# Altium PCB Digital_Optical.PcbDoc (part 3 of 3)
Units mm, origin at the board's own origin, x right, y up, seen from the top; angles counter-clockwise.
Board outline 155.98 x 100 mm, 2 copper layers (Top Layer, Bottom Layer); 402 components, 235 nets, 1241 pads, 390 vias.
Unrouted connection lines stored in the file: 44.
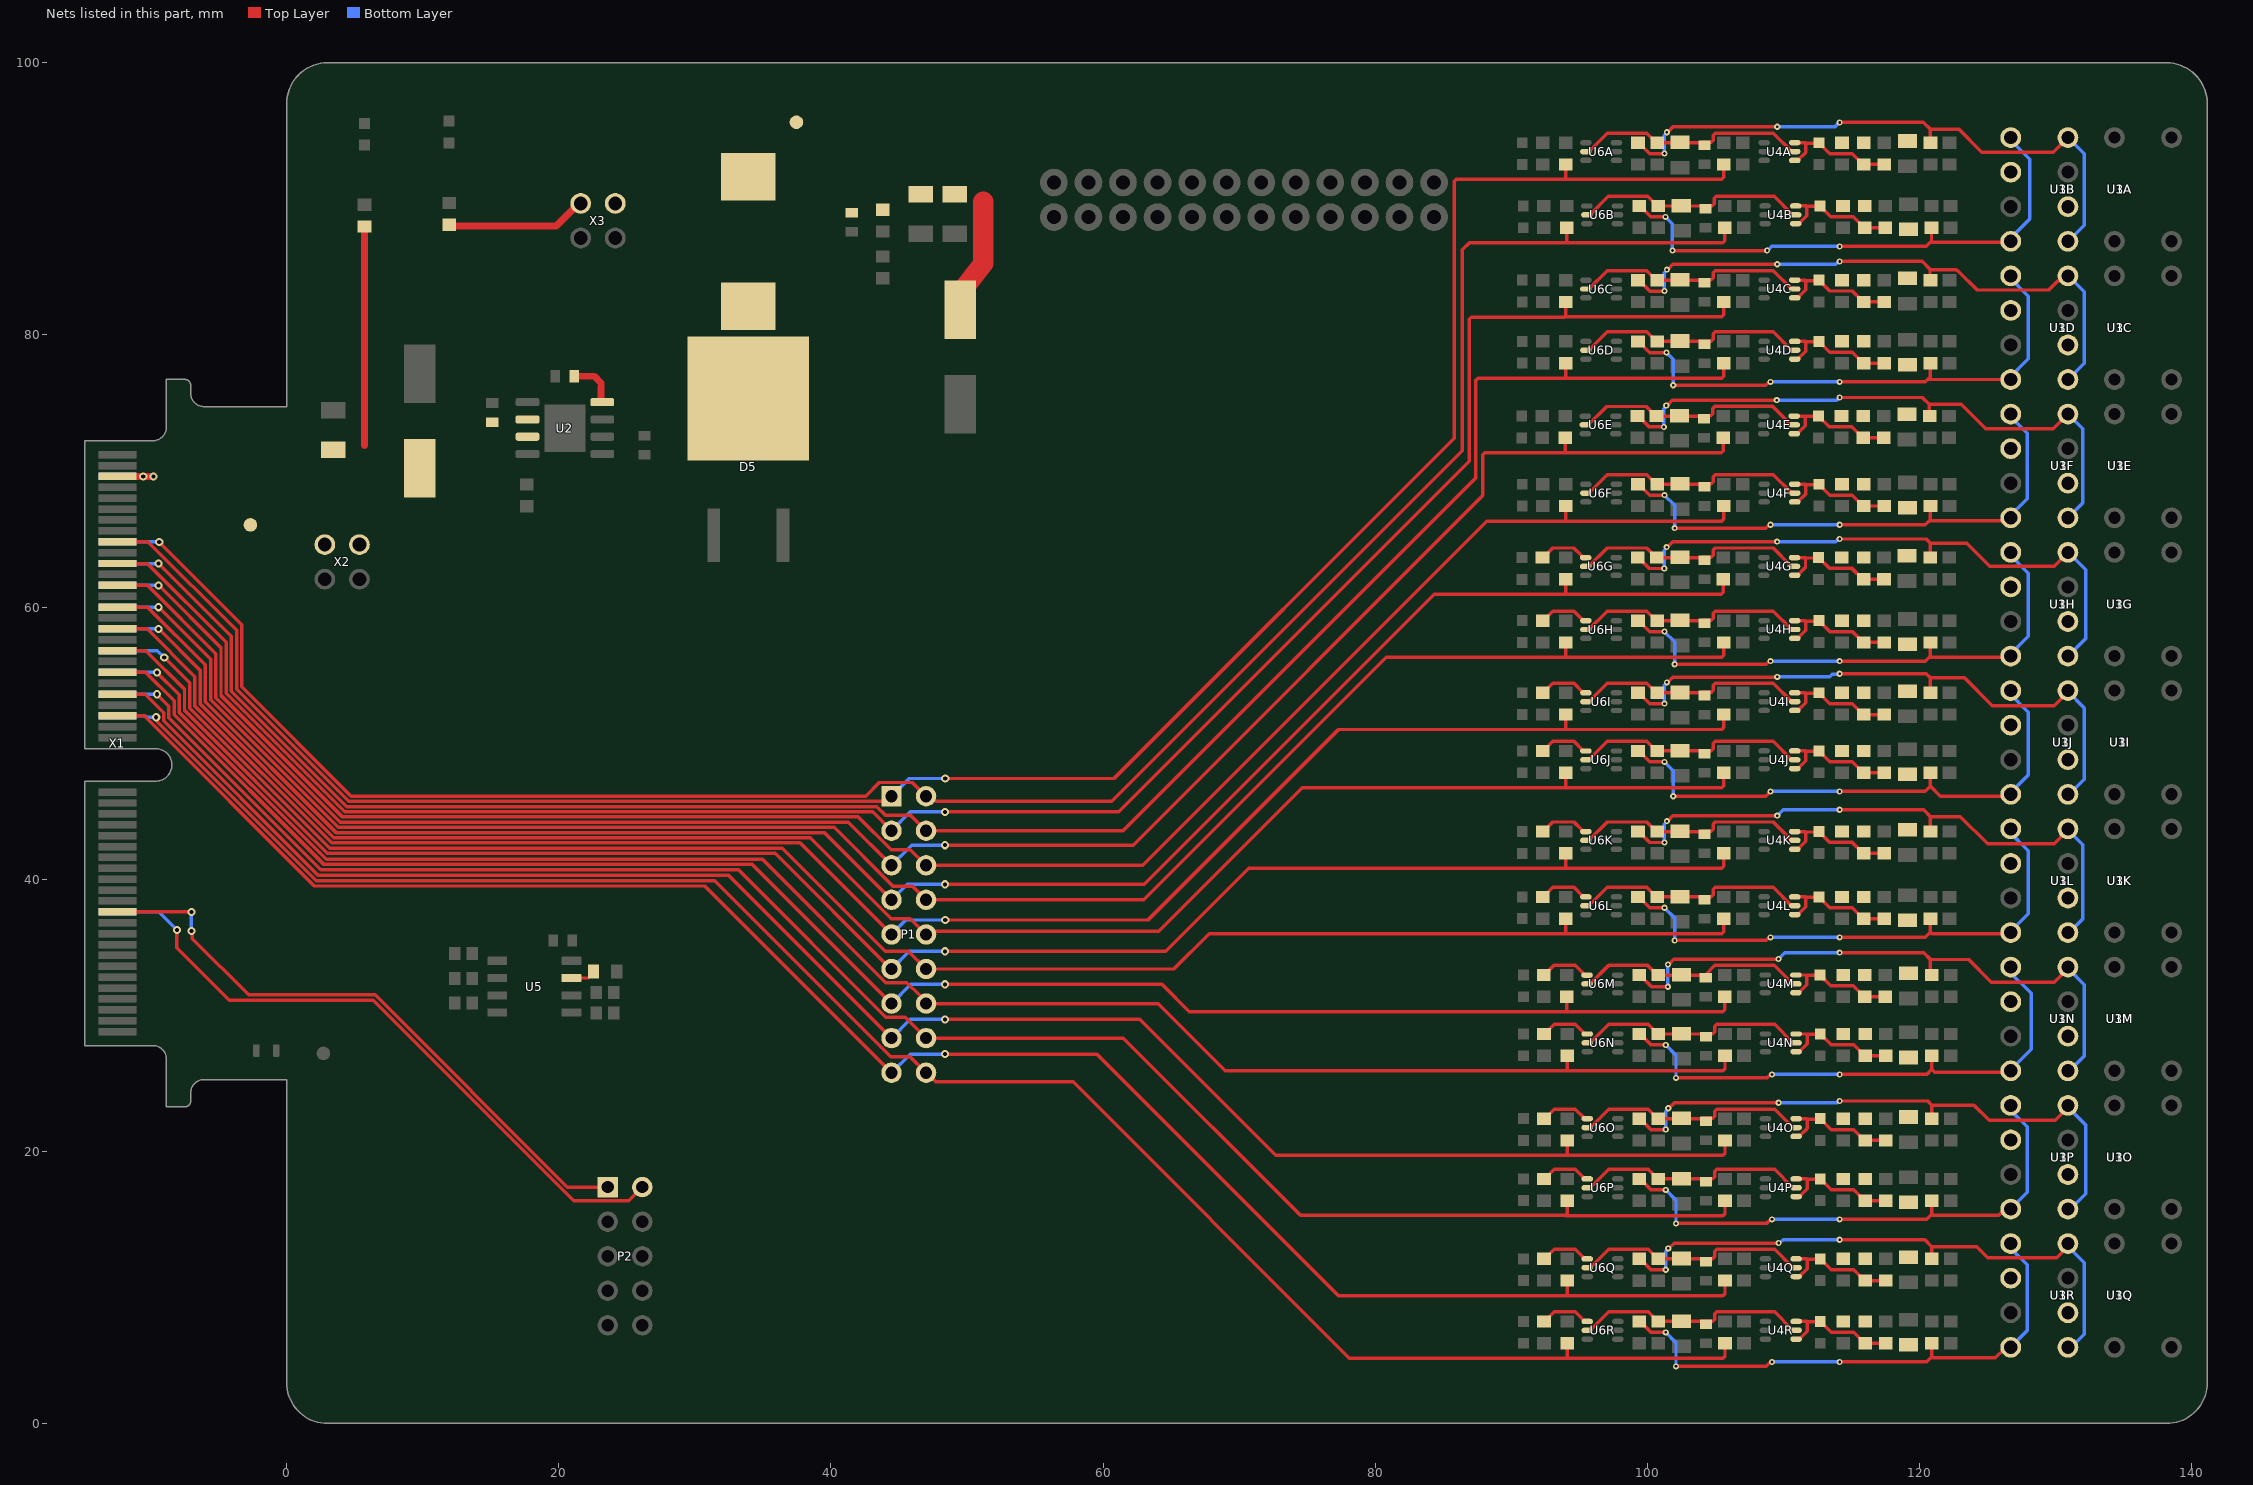
[diagram p3: the nets of this part, all layers, seen from the top]

## Via types
v1: diameter 0.8, hole 0.4, Top Layer to Bottom Layer, tented both sides, 174 vias
v2: diameter 0.6, hole 0.3, Top Layer to Bottom Layer, tented both sides, 120 vias
v3: diameter 0.45, hole 0.2, Top Layer to Bottom Layer, tented both sides, 78 vias
v4: diameter 0.6, hole 0.3, Top Layer to Bottom Layer, 11 vias
v5: diameter 0.5, hole 0.3, Top Layer to Bottom Layer, 6 vias
v6: diameter 0.4, hole 0.2, Top Layer to Bottom Layer, 1 vias

## Nets (pads, with @x,y where several pads share a name; then routed paths per layer and width w, separated by ;. In a path a pad name is that pad's centre, name@x,y a point inside that pad or via, vN(x,y) a via of type N, cw(c..) or ccw(c..) an arc to the next point about the centre after c; other vN are vias at no path point) (continued)
NetR9G_1: R9G.1 U6G.4 | length 3.8
  Top Layer w0.254: R9G.1@92.286,63.636 92.336,63.636 93.04,64.34 94.591,64.34 95.21,63.722 95.21,63.701 95.277,63.634 U6G.4@95.462,63.634
NetR9H_1: R9H.1 U6H.4 | length 3.8
  Top Layer w0.254: R9H.1@92.3,59 92.35,59 93.054,59.704 94.605,59.704 95.224,59.086 95.224,59.065 95.291,58.998 U6H.4@95.476,58.998
NetR9I_1: R9I.1 U6I.4 | length 3.8
  Top Layer w0.254: R9I.1@92.3,53.7 92.35,53.7 93.054,54.404 94.605,54.404 95.224,53.786 95.224,53.765 95.291,53.698 U6I.4@95.476,53.698
NetR9J_1: R9J.1 U6J.4 | length 3.8
  Top Layer w0.254: R9J.1@92.3,49.425 92.35,49.425 93.054,50.129 94.605,50.129 95.224,49.511 95.224,49.49 95.291,49.423 U6J.4@95.476,49.423
NetR9K_1: R9K.1 U6K.4 | length 3.8
  Top Layer w0.254: R9K.1@92.3,43.5 92.35,43.5 93.054,44.204 94.605,44.204 95.224,43.586 95.224,43.565 95.291,43.498 U6K.4@95.476,43.498
NetR9L_1: R9L.1 U6L.4 | length 3.8
  Top Layer w0.254: R9L.1@92.3,38.7 92.35,38.7 93.054,39.404 94.605,39.404 95.224,38.786 95.224,38.765 95.291,38.698 U6L.4@95.476,38.698
NetR9M_1: R9M.1 U6M.4 | length 3.8
  Top Layer w0.254: R9M.1@92.383,32.958 92.433,32.958 93.137,33.662 94.688,33.662 95.307,33.044 95.307,33.024 95.374,32.956 U6M.4@95.56,32.956
NetR9N_1: R9N.1 U6N.4 | length 3.8
  Top Layer w0.254: R9N.1@92.4,28.625 92.45,28.625 93.154,29.329 94.705,29.329 95.324,28.711 95.324,28.69 95.391,28.623 U6N.4@95.576,28.623
NetR9O_1: R9O.1 U6O.4 | length 3.8
  Top Layer w0.254: R9O.1@92.4,22.4 92.45,22.4 93.154,23.104 94.705,23.104 95.324,22.486 95.324,22.465 95.391,22.398 U6O.4@95.576,22.398
NetR9P_1: R9P.1 U6P.4 | length 3.8
  Top Layer w0.254: R9P.1@92.4,17.975 92.45,17.975 93.154,18.679 94.705,18.679 95.324,18.061 95.324,18.04 95.391,17.973 U6P.4@95.576,17.973
NetR9Q_1: R9Q.1 U6Q.4 | length 3.8
  Top Layer w0.254: R9Q.1@92.4,12.1 92.45,12.1 93.154,12.804 94.705,12.804 95.324,12.186 95.324,12.165 95.391,12.098 U6Q.4@95.576,12.098
NetR9R_1: R9R.1 U6R.4 | length 3.8
  Top Layer w0.254: R9R.1@92.4,7.5 92.45,7.5 93.154,8.204 94.705,8.204 95.324,7.586 95.324,7.565 95.391,7.498 U6R.4@95.576,7.498
NetSB1_2: SB1.2 U5.7 | length 1.9
  Top Layer w0.2: U5.7@20.925,32.735 22.174,32.735 22.543,33.104 SB1.2@22.543,33.205
Res_Pin77: P2.1 X1.77 | length 45.5
  Top Layer w0.254: X1.77@-12.44,37.6 v4(-7,37.6) ; v4(-7,36.2) -6.923,36.123 -6.923,35.623 -6.9,35.6 -2.796,31.496 6.508,31.496 20.63,17.374 P2.1@23.597,17.374
  Bottom Layer w0.254: v4(-7,36.2) v4(-7,37.6)
Res_Pin78: P2.2 X1.78 | length 48.5
  Top Layer w0.254: v2(-8.065,36.273) -8.065,34.965 -4.215,31.115 6.35,31.115 21.095,16.37 25.133,16.37 P2.2@26.137,17.374
  Bottom Layer w0.254: X1.78@-12.431,37.6 -9.392,37.6 v2(-8.065,36.273)
RxTxA: R1A.2 R8A.2 U1A.1 U1A.4 U3A.1 U3A.4 | length 44.5
  Top Layer w0.254: R1A.2@99.309,94.123 99.359,94.123 100.159,93.323 v3(101.247,93.323) ; v3(101.426,94.893) 101.479,94.893 101.866,95.28 109.53,95.28 v3(109.545,95.295) ; v3@114.2,95.615 120.285,95.615 120.8,95.1 ; R8A.2@120.8,94.125 120.8,95.1 ; U1A.1@130.915,94.501 129.835,93.421 124.579,93.421 122.9,95.1 120.8,95.1
  Bottom Layer w0.254: v3(101.247,93.323) 101.247,94.661 101.426,94.84 v3(101.426,94.893) ; v3(109.545,95.295) 113.787,95.295 v3@114.106,95.615 ; U1A.4@130.915,86.881 132.1,88.066 132.1,93.316 U1A.1@130.915,94.501
  other v3: 114.125,95.615
RxTxB: R1B.2 R8B.2 U1B.1 U1B.4 U3B.1 U3B.4 | length 39.8
  Top Layer w0.254: R1B.2@99.385,89.473 99.435,89.473 100.235,88.673 v3(101.322,88.673) ; v3(101.85,86.2) v3(108.8,86.2) ; v3@114.2,86.5 120.5,86.5 120.875,86.875 ; R8B.2@120.875,87.875 120.875,86.875 ; U1B.1@126.527,86.881 126.442,86.796 124.453,86.796 120.954,86.796 120.875,86.875
  Bottom Layer w0.254: v3(101.322,88.673) 101.825,88.17 v3@101.825,86.225 ; v3(108.8,86.2) 108.822,86.2 109.122,86.5 v3(114.125,86.5) ; U1B.1@126.48,86.9 128.1,88.52 128.1,92.9 U1B.4@126.48,94.52
RxTxC: R1C.2 R8C.2 U1C.1 U1C.4 U3C.1 U3C.4 | length 44.4
  Top Layer w0.254: R1C.2@99.309,84.023 99.359,84.023 100.159,83.223 v3(101.247,83.223) ; v3(101.426,84.793) 101.479,84.793 101.866,85.18 109.53,85.18 v3(109.545,85.195) ; v3@114.1,85.4 120.2,85.4 120.8,84.8 ; R8C.2@120.8,84.025 120.768,84.057 120.768,84.8 122.7,84.8 122.771,84.729 122.81,84.729 124.239,83.3 129.5,83.3 130.174,83.974 130.204,83.974 130.571,84.341 U1C.1@130.915,84.341
  Bottom Layer w0.254: v3(101.247,83.223) 101.247,84.561 101.426,84.74 v3(101.426,84.793) ; v3(109.545,85.195) 113.842,85.195 114.047,85.4 v3@114.1,85.4 ; U1C.4@130.915,76.721 132.1,77.906 132.1,83.156 U1C.1@130.915,84.341
  other v3: 114.125,85.4
RxTxD: R1D.2 R8D.2 U1D.1 U1D.4 U3D.1 U3D.4 | length 39.9
  Top Layer w0.254: R1D.2@99.36,79.523 100.183,78.7 v3(101.4,78.7) ; v3(101.9,76.3) 108.703,76.3 108.953,76.55 v3(109.047,76.55) ; v3(114.125,76.55) 120.425,76.55 120.596,76.721 ; R8D.2@120.8,77.925 120.8,76.925 120.596,76.721 ; U1D.1@126.527,76.721 120.596,76.721
  Bottom Layer w0.254: v3(101.4,78.7) 101.9,78.2 v3(101.9,76.3) ; v3(109.047,76.55) v3(114.125,76.55) ; U1D.1@126.5,76.734 128,78.234 128,82.854 U1D.4@126.5,84.354
RxTxE: R1E.2 R8E.2 U1E.1 U1E.4 U3E.1 U3E.4 | length 44.5
  Top Layer w0.254: R1E.2@99.27,74.034 99.32,74.034 100.12,73.234 v3(101.208,73.234) ; v3(101.387,74.804) 101.44,74.804 101.827,75.191 109.491,75.191 v3(109.506,75.206) ; v3@114.106,75.4 114.2,75.4 120.2,75.4 120.7,74.9 ; R8E.2@120.761,74.036 120.7,74.097 120.7,74.9 ; U3E.1@130.915,74.181 129.834,73.1 124.865,73.1 123.065,74.9 120.7,74.9
  Bottom Layer w0.254: v3(101.208,73.234) 101.208,74.572 101.387,74.751 v3(101.387,74.804) ; v3(109.506,75.206) 113.913,75.206 v3@114.106,75.4 ; U3E.4@130.915,66.561 132,67.646 132,73.096 U3E.1@130.915,74.181
  other v3: 114.125,75.4
RxTxF: R1F.2 R8F.2 U1F.1 U1F.4 U3F.1 U3F.4 | length 39.8
  Top Layer w0.254: R1F.2@99.309,69.023 99.359,69.023 100.159,68.223 v3(101.247,68.223) ; v3(102,65.8) 108.703,65.8 108.953,66.05 v3(109.047,66.05) ; v3(114.125,66.05) 120.425,66.05 120.8,66.425 ; R8F.2@120.8,67.425 120.8,66.425 ; U1F.1@126.527,66.561 126.312,66.346 120.8,66.346 120.8,66.425
  Bottom Layer w0.254: v3(101.247,68.223) 102,67.47 v3(102,65.8) ; v3(109.047,66.05) v3(114.125,66.05) ; U1F.4@126.5,74.165 126.5,74.18 127.9,72.78 127.9,67.96 126.501,66.561 U1F.1@126.527,66.561
RxTxG: R1G.2 R8G.2 U1G.1 U1G.4 U3G.1 U3G.4 | length 44.7
  Top Layer w0.254: R1G.2@99.296,63.634 99.346,63.634 100.146,62.834 v3(101.233,62.834) ; v3(101.412,64.404) 101.465,64.404 101.852,64.791 v3@109.544,64.791 ; v3@114.1,65 120.5,65 120.8,64.7 ; R8G.2@120.786,63.636 120.8,63.65 120.8,64.7 ; U3G.1@130.915,64.021 129.894,63 125.168,63 123.468,64.7 120.8,64.7
  Bottom Layer w0.254: v3(101.233,62.834) 101.233,64.172 101.412,64.351 v3(101.412,64.404) ; v3@109.544,64.791 109.559,64.806 113.853,64.806 114.047,65 v3@114.1,65 ; U3G.4@130.915,56.401 132.2,57.686 132.2,62.736 U3G.1@130.915,64.021
  other v3: 109.531,64.806 114.125,65
RxTxH: R1H.2 R8H.2 U1H.1 U1H.4 U3H.1 U3H.4 | length 39.8
  Top Layer w0.254: R1H.2@99.309,58.998 99.359,58.998 100.159,58.198 v3(101.247,58.198) ; v3(102,55.8) 108.728,55.8 108.953,56.025 v3(109.047,56.025) ; v3(114.125,56.025) 120.425,56.025 120.7,56.3 ; R8H.2@120.8,57.4 120.8,56.4 120.7,56.3 ; U1H.1@126.527,56.401 126.426,56.3 120.7,56.3
  Bottom Layer w0.254: v3(101.247,58.198) 102,57.445 v3(102,55.8) ; v3(109.047,56.025) v3(114.125,56.025) ; U1H.1@126.414,56.36 126.5,56.36 128,57.86 128,62.48 U1H.4@126.5,63.98
RxTxI: R1I.2 R8I.2 U1I.1 U1I.4 U3I.1 U3I.4 | length 44.7
  Top Layer w0.254: R1I.2@99.309,53.698 99.359,53.698 100.159,52.898 v3(101.247,52.898) ; v3(101.426,54.468) 101.479,54.468 101.866,54.855 v3@109.53,54.855 ; v3(114.125,55.1) 120.5,55.1 120.8,54.8 ; R8I.2@120.8,53.7 120.8,54.8 ; U1I.1@130.915,53.767 129.899,52.751 125.349,52.751 123.3,54.8 120.8,54.8
  Bottom Layer w0.254: v3(101.247,52.898) 101.247,54.236 101.426,54.415 v3(101.426,54.468) ; v3(109.545,54.87) 113.392,54.87 113.584,55.062 114.087,55.062 v3(114.125,55.1) ; U1I.4@130.915,46.147 132.1,47.332 132.1,52.582 U1I.1@130.915,53.767
RxTxJ: R1J.2 R8J.2 U1J.1 U1J.4 U3J.1 U3J.4 | length 40.1
  Top Layer w0.254: R1J.2@99.31,49.423 99.36,49.423 100.16,48.623 v3(101.247,48.623) ; v3(101.9,46.1) 108.697,46.1 v3(109.047,46.45) ; v3(114.125,46.45) 120.425,46.45 120.8,46.825 ; R8J.2@120.8,47.825 120.8,46.825 ; U1J.1@126.527,46.147 126.48,46.1 121.525,46.1 120.8,46.825
  Bottom Layer w0.254: v3(101.247,48.623) 101.9,47.97 v3(101.9,46.1) ; v3(109.047,46.45) v3@114.031,46.45 ; U1J.1@126.5,46.16 128,47.66 128,52.28 U1J.4@126.5,53.78 ; U1J.1@126.507,46.167 U1J.1@126.527,46.147
RxTxK: R1K.2 R8K.2 U1K.1 U1K.4 U3K.1 U3K.4 | length 44.9
  Top Layer w0.254: R1K.2@99.309,43.498 99.359,43.498 100.159,42.698 v3(101.247,42.698) ; v3(101.426,44.268) 101.479,44.268 101.866,44.655 v3@109.53,44.655 ; v3@114.2,45.1 120.3,45.1 120.8,44.6 ; R8K.2@120.8,43.5 120.8,44.6 ; U1K.1@130.915,43.607 129.899,42.591 125.009,42.591 123,44.6 120.8,44.6
  Bottom Layer w0.254: v3(101.247,42.698) 101.247,44.036 101.426,44.215 v3(101.426,44.268) ; v3@109.53,44.655 109.975,45.1 v3@114.2,45.1 ; v3(109.545,44.67) v3@109.639,44.67 ; U1K.4@130.915,35.987 132,37.072 132,42.522 U1K.1@130.915,43.607
  other v3: 114.125,45.1
RxTxL: R1L.2 R8L.2 U1L.1 U1L.4 U3L.1 U3L.4 | length 39.5
  Top Layer w0.254: R1L.2@99.309,38.698 99.359,38.698 100.159,37.898 v3(101.247,37.898) ; v3(102,35.5) 108.728,35.5 108.953,35.725 v3(109.047,35.725) ; v3(114.125,35.725) 120.425,35.725 120.8,36.1 ; R8L.2@120.8,37.1 120.8,36.1 ; U1L.1@126.527,35.987 120.913,35.987 120.8,36.1
  Bottom Layer w0.254: v3(101.247,37.898) 102,37.145 v3(102,35.5) ; v3(109.047,35.725) v3@114.031,35.725 ; U1L.4@126.5,43.58 128,42.08 128,37.46 U1L.1@126.527,35.987
RxTxM: R1M.2 R8M.2 U1M.1 U1M.4 U3M.1 U3M.4 | length 44.9
  Top Layer w0.254: R1M.2@99.443,32.956 100.299,32.1 v3(101.5,32.1) ; v3(101.509,33.726) 101.562,33.726 101.949,34.113 v3@109.613,34.113 ; v3@114.2,34.6 120.3,34.6 120.8,34.1 ; R8M.2@120.883,32.958 120.8,33.041 120.8,34.1 ; U1M.1@130.915,33.439 129.899,32.423 125.277,32.423 123.6,34.1 120.8,34.1
  Bottom Layer w0.254: v3(101.5,32.1) 101.505,32.105 101.505,33.722 v3(101.509,33.726) ; v3@109.613,34.113 v3(109.628,34.128) ; v3@109.722,34.128 v3(109.628,34.128) ; v3(114.125,34.6) 110.1,34.6 v3(109.628,34.128) ; U1M.4@130.915,25.819 132.1,27.004 132.1,32.254 U1M.1@130.915,33.439
RxTxN: R1N.2 R8N.2 U1N.1 U1N.4 U3N.1 U3N.4 | length 39.6
  Top Layer w0.254: R1N.2@99.409,28.623 99.459,28.623 100.259,27.823 v3(101.347,27.823) ; v3(102.1,25.4) 108.803,25.4 109.053,25.65 v3(109.147,25.65) ; v3@114.225,25.65 120.525,25.65 120.9,26.025 ; R8N.2@120.9,27.025 120.9,26.025 ; U1N.1@126.527,25.819 121.106,25.819 120.9,26.025
  Bottom Layer w0.254: v3(101.347,27.823) 102.1,27.07 v3(102.1,25.4) ; v3(109.147,25.65) v3@114.131,25.65 ; U1N.4@126.453,33.358 128.2,31.611 128.2,27.492 U1N.1@126.527,25.819
  other v3: 114.125,25.65
RxTxO: R1O.2 R8O.2 U1O.1 U1O.4 U3O.1 U3O.4 | length 44.1
  Top Layer w0.254: R1O.2@99.409,22.398 99.459,22.398 100.259,21.598 v3(101.347,21.598) ; v3(101.526,23.168) 101.579,23.168 101.966,23.555 109.63,23.555 v3(109.645,23.57) ; v3@114.2,23.7 120.6,23.7 120.9,23.4 ; R8O.2@120.9,22.4 120.9,23.4 ; U3O.1@130.915,23.223 129.973,22.281 125.119,22.281 124,23.4 120.9,23.4
  Bottom Layer w0.254: v3(101.347,21.598) 101.347,22.936 101.526,23.115 v3(101.526,23.168) ; v3(109.645,23.57) 113.942,23.57 114.072,23.7 v3(114.125,23.7) ; U3O.4@130.915,15.603 132.2,16.888 132.2,21.938 U3O.1@130.915,23.223
RxTxP: R1P.2 R8P.2 U1P.1 U1P.4 U3P.1 U3P.4 | length 39.7
  Top Layer w0.254: R1P.2@99.409,17.973 99.459,17.973 100.259,17.173 v3(101.347,17.173) ; v3(102.1,14.7) 108.753,14.7 109.053,15 v3(109.147,15) ; v3@114.225,15 120.525,15 120.9,15.375 ; R8P.2@120.9,16.375 120.9,15.375 ; U1P.1@126.51,15.671 126.527,15.654 126.183,15.654 125.825,15.296 120.979,15.296 120.9,15.375
  Bottom Layer w0.254: v3(101.347,17.173) 102.1,16.42 v3(102.1,14.7) ; v3(109.147,15) v3@114.131,15 ; U1P.1@126.5,15.58 127.9,16.98 127.9,21.8 U1P.4@126.5,23.2
  other v3: 114.125,15
RxTxQ: R1Q.2 R8Q.2 U1Q.1 U1Q.4 U3Q.1 U3Q.4 | length 43.9
  Top Layer w0.254: R1Q.2@99.409,12.098 99.459,12.098 100.259,11.298 v3(101.347,11.298) ; v3(101.526,12.868) 101.579,12.868 101.966,13.255 109.63,13.255 v3(109.645,13.27) v3@109.737,13.27 ; v3@114.3,13.5 120.4,13.5 120.9,13 ; R8Q.2@120.9,12.1 120.9,13 ; U1Q.1@130.915,13.003 130.093,12.181 125.019,12.181 124.2,13 120.9,13
  Bottom Layer w0.254: v3(101.347,11.298) 101.347,12.636 101.526,12.815 v3(101.526,12.868) ; v3(109.645,13.27) 109.737,13.27 109.967,13.5 v3(114.125,13.5) ; U1Q.4@130.915,5.383 132.1,6.568 132.1,11.818 U1Q.1@130.915,13.003
RxTxR: R1R.2 R8R.2 U1R.1 U1R.4 U3R.1 U3R.4 | length 40.2
  Top Layer w0.254: R1R.2@99.409,7.498 99.459,7.498 100.259,6.698 v3(101.347,6.698) ; v3(102.1,4.2) 108.728,4.2 109.053,4.525 v3(109.147,4.525) ; v3@114.225,4.525 120.525,4.525 120.9,4.9 ; 120.9,4.821 120.979,4.821 ; R8R.2@120.9,5.9 120.9,4.9 ; U1R.1@126.289,5.196 126.527,5.434 126.183,5.434 125.57,4.821 120.979,4.821 ; 120.9,4.9 120.979,4.821
  Bottom Layer w0.254: v3(101.347,6.698) 102.1,5.945 v3(102.1,4.2) ; v3(109.147,4.525) v3(114.125,4.525) ; U1R.1@126.5,5.434 U1R.1@126.514,5.447 ; U1R.4@126.5,13.054 127.9,11.654 127.9,6.834 U1R.1@126.514,5.447 ; U1R.1@126.527,5.434 U1R.1@126.514,5.447
Signal0: P1.1 R2A.1 R7A.2 X1.17 | length 160.7
  Top Layer w0.254: X1.17@-12.44,64.8 -10.2,64.8 -3.683,58.283 -3.683,53.971 4.572,45.716 44.065,45.716 P1.1@44.45,46.101 ; v2(48.4,47.4) 60.8,47.4 85.8,72.4 85.8,91.276 85.949,91.425 94,91.425 ; R2A.1@94,92.525 94,91.525 93.9,91.425 94,91.425 ; R7A.2@105.6,92.525 105.6,91.574 105.451,91.425 94,91.425
  Bottom Layer w0.254: P1.1@44.45,46.101 45.749,47.4 v2(48.4,47.4)
Signal1: P1.2 R2B.1 R7B.2 X1.18 | length 157.3
  Top Layer w0.254: v2(-9.362,64.77) -3.302,58.71 -3.302,54.129 4.726,46.101 42.545,46.101 43.549,47.105 45.986,47.105 P1.2@46.99,46.101 47.327,46.101 47.708,45.72 60.62,45.72 86.4,71.5 86.4,86.251 86.924,86.775 93.975,86.775 ; R2B.1@94.075,87.875 94.075,86.875 93.975,86.775 ; R7B.2@105.675,87.875 105.675,86.924 105.526,86.775 94.075,86.775 93.975,86.775
  Bottom Layer w0.254: X1.18@-12.44,64.791 -9.383,64.791 v2(-9.362,64.77)
Signal2: P1.3 R2C.1 R7C.2 X1.21 | length 152.3
  Top Layer w0.254: X1.21@-12.44,63.191 -10.231,63.191 -4.445,57.405 -4.445,53.655 4.256,44.954 43.057,44.954 P1.3@44.45,43.561 ; v2(48.375,44.95) 61.15,44.95 86.9,70.7 86.9,81.151 87.049,81.3 93.9,81.3 ; R2C.1@94,82.425 94,81.425 93.9,81.325 94,81.325 105.451,81.325 105.6,81.474 R7C.2@105.6,82.425
  Bottom Layer w0.254: P1.3@44.45,43.561 45.839,44.95 v2(48.375,44.95)
Signal3: P1.4 R2D.1 R7D.2 X1.22 | length 148.7
  Top Layer w0.254: v2(-9.414,63.191) -4.064,57.841 -4.064,53.813 4.414,45.335 43.357,45.335 43.976,44.716 45.835,44.716 P1.4@46.99,43.561 61.461,43.561 87.4,69.5 87.4,76.676 87.549,76.825 93.9,76.825 ; R2D.1@94,77.925 94,76.925 93.9,76.825 ; R7D.2@105.6,77.925 105.6,76.974 105.451,76.825 94,76.825 93.9,76.825
  Bottom Layer w0.254: X1.22@-12.431,63.191 v2(-9.414,63.191)
Signal4: P1.5 R2E.1 R7E.2 X1.25 | length 144.9
  Top Layer w0.254: X1.25@-12.44,61.6 -12.431,61.591 -10.231,61.591 -5.207,56.567 -5.207,53.34 3.941,44.192 41.279,44.192 P1.5@44.45,41.021 ; v2(48.375,42.5) 62.2,42.5 87.9,68.2 87.9,71.187 88.049,71.336 93.861,71.336 ; R2E.1@93.961,72.436 93.961,71.436 93.861,71.336 ; R7E.2@105.561,72.436 105.561,71.485 105.412,71.336 93.961,71.336 93.861,71.336
  Bottom Layer w0.254: P1.5@44.45,41.021 45.929,42.5 v2(48.375,42.5)
Signal5: P1.6 R2F.1 R7F.2 X1.26 | length 152.8
  Top Layer w0.254: v2(-9.414,61.591) -4.826,57.003 -4.826,53.498 4.099,44.573 42.018,44.573 44.415,42.176 45.835,42.176 P1.6@46.99,41.021 62.921,41.021 88.2,66.3 105.451,66.3 ; R2F.1@94,67.425 94,66.425 93.9,66.325 94,66.325 105.451,66.325 105.6,66.474 R7F.2@105.6,67.425
  Bottom Layer w0.254: X1.26@-12.44,61.591 v2(-9.414,61.591)
Signal6: P1.7 R2G.1 R7G.2 X1.29 | length 140
  Top Layer w0.254: X1.29@-12.44,60 -12.431,59.991 -10.231,59.991 -5.987,55.747 -5.987,53.042 3.625,43.43 39.501,43.43 P1.7@44.45,38.481 ; v2(48.375,39.625) 63.025,39.625 84.336,60.936 93.886,60.936 ; R2G.1@93.986,62.036 93.986,61.036 93.886,60.936 ; R7G.2@105.586,62.036 105.586,61.085 105.437,60.936 93.986,60.936 93.886,60.936
  Bottom Layer w0.254: P1.7@44.461,38.492 45.594,39.625 v2(48.375,39.625)
Signal7: P1.8 R2H.1 R7H.2 X1.30 | length 138.2
  Top Layer w0.254: v2(-9.414,59.991) -5.588,56.165 -5.588,53.182 3.783,43.811 40.24,43.811 44.554,39.497 45.974,39.497 P1.8@46.99,38.481 62.981,38.481 80.8,56.3 93.9,56.3 ; R2H.1@94,57.4 94,56.4 93.9,56.3 ; R7H.2@105.6,57.4 105.6,56.449 105.451,56.3 94,56.3 93.9,56.3